# Altium PCB Motor_Controller.PcbDoc (part 1 of 2)
Units mm, origin at the board's own origin, x right, y up, seen from the top; angles counter-clockwise.
Board outline 87 x 70 mm, 4 copper layers (Top Layer, Layer 1, Layer 2, Bottom Layer), stack 0.603 mm thick; 105 components, 67 nets, 349 pads, 167 vias.
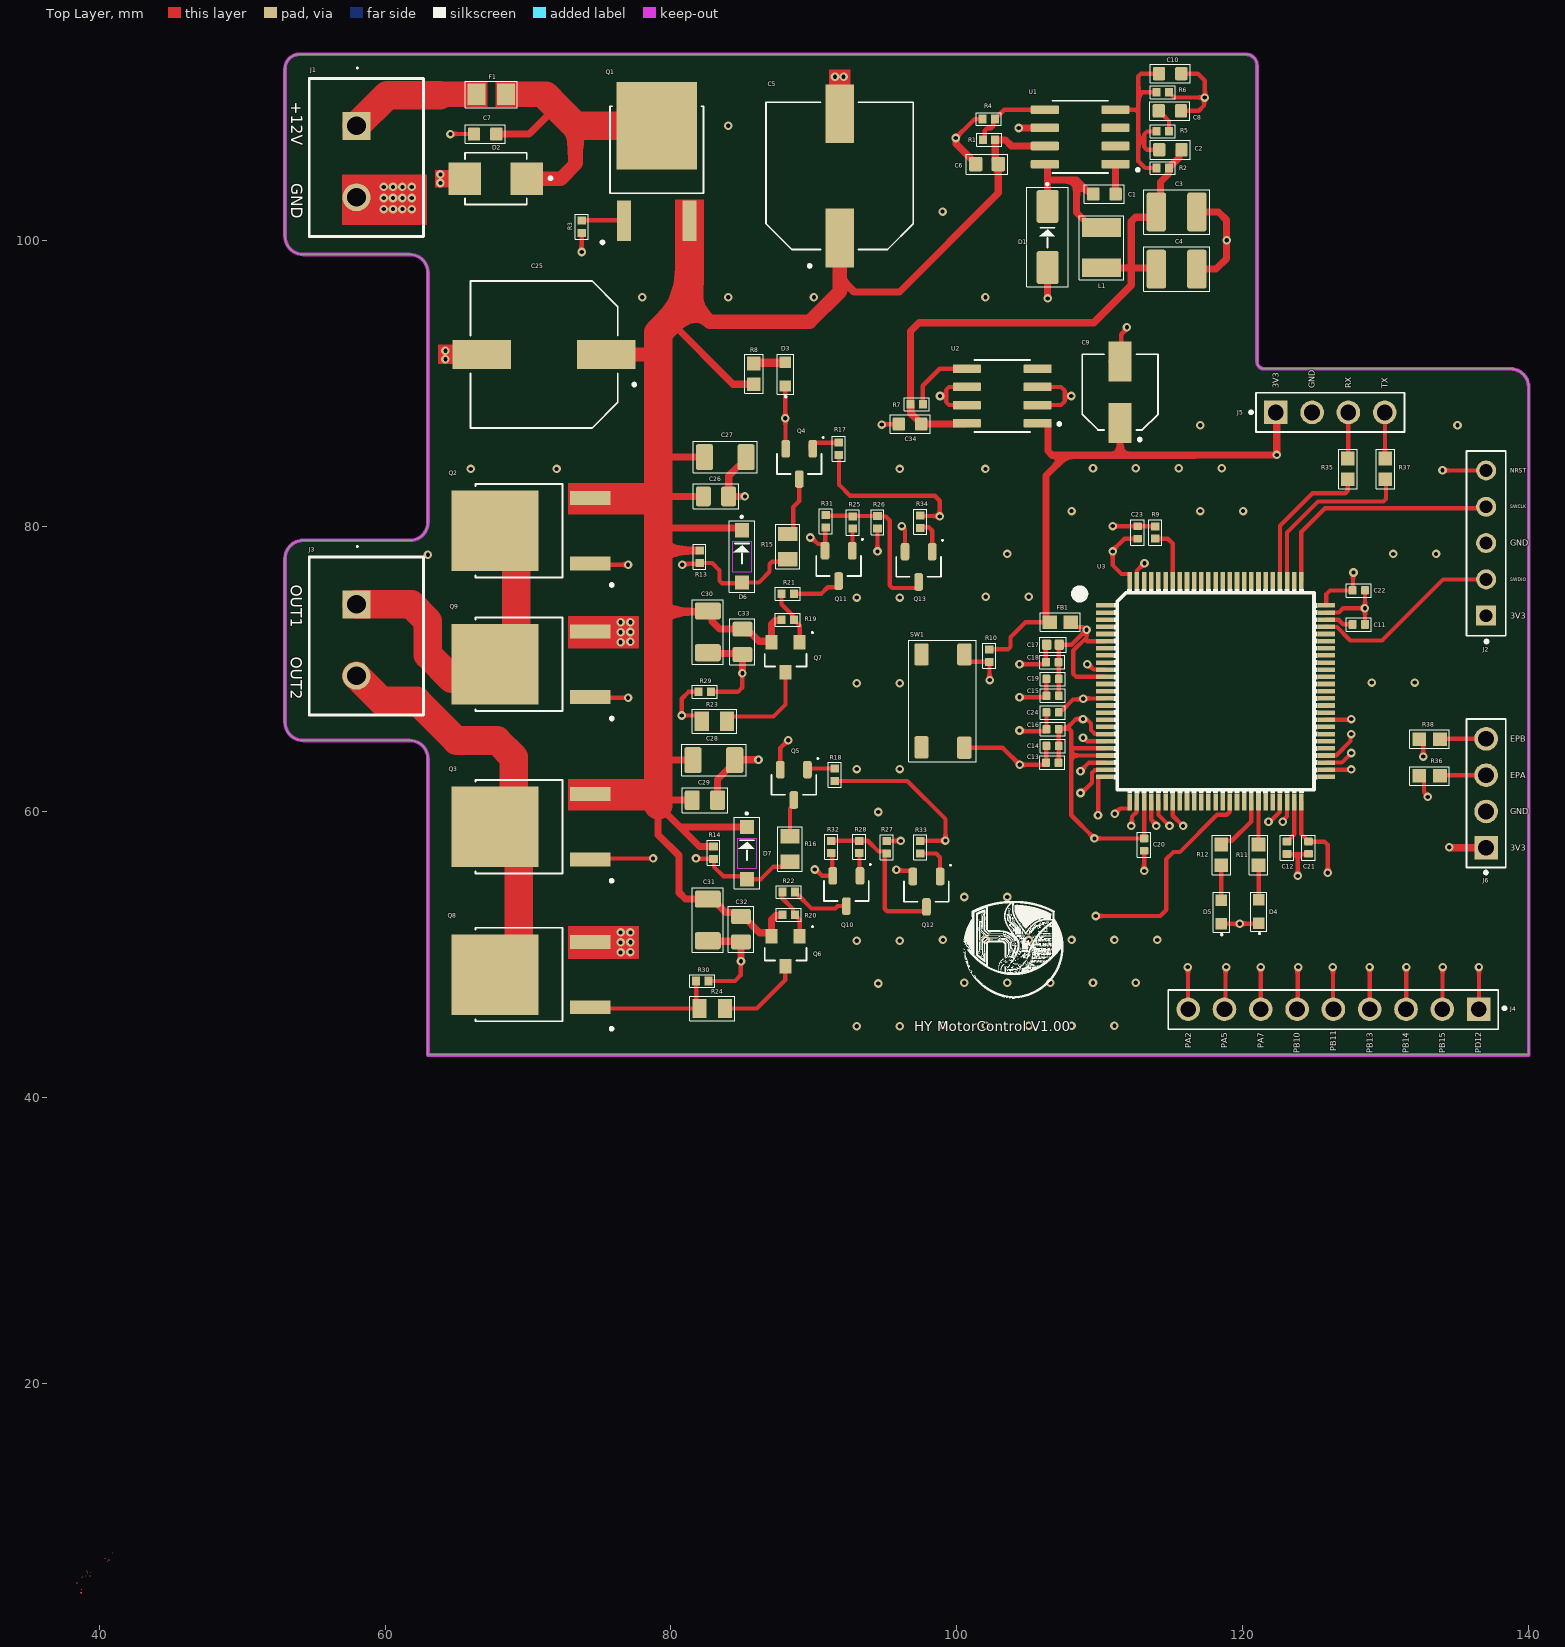
[diagram p0: Top Layer view]
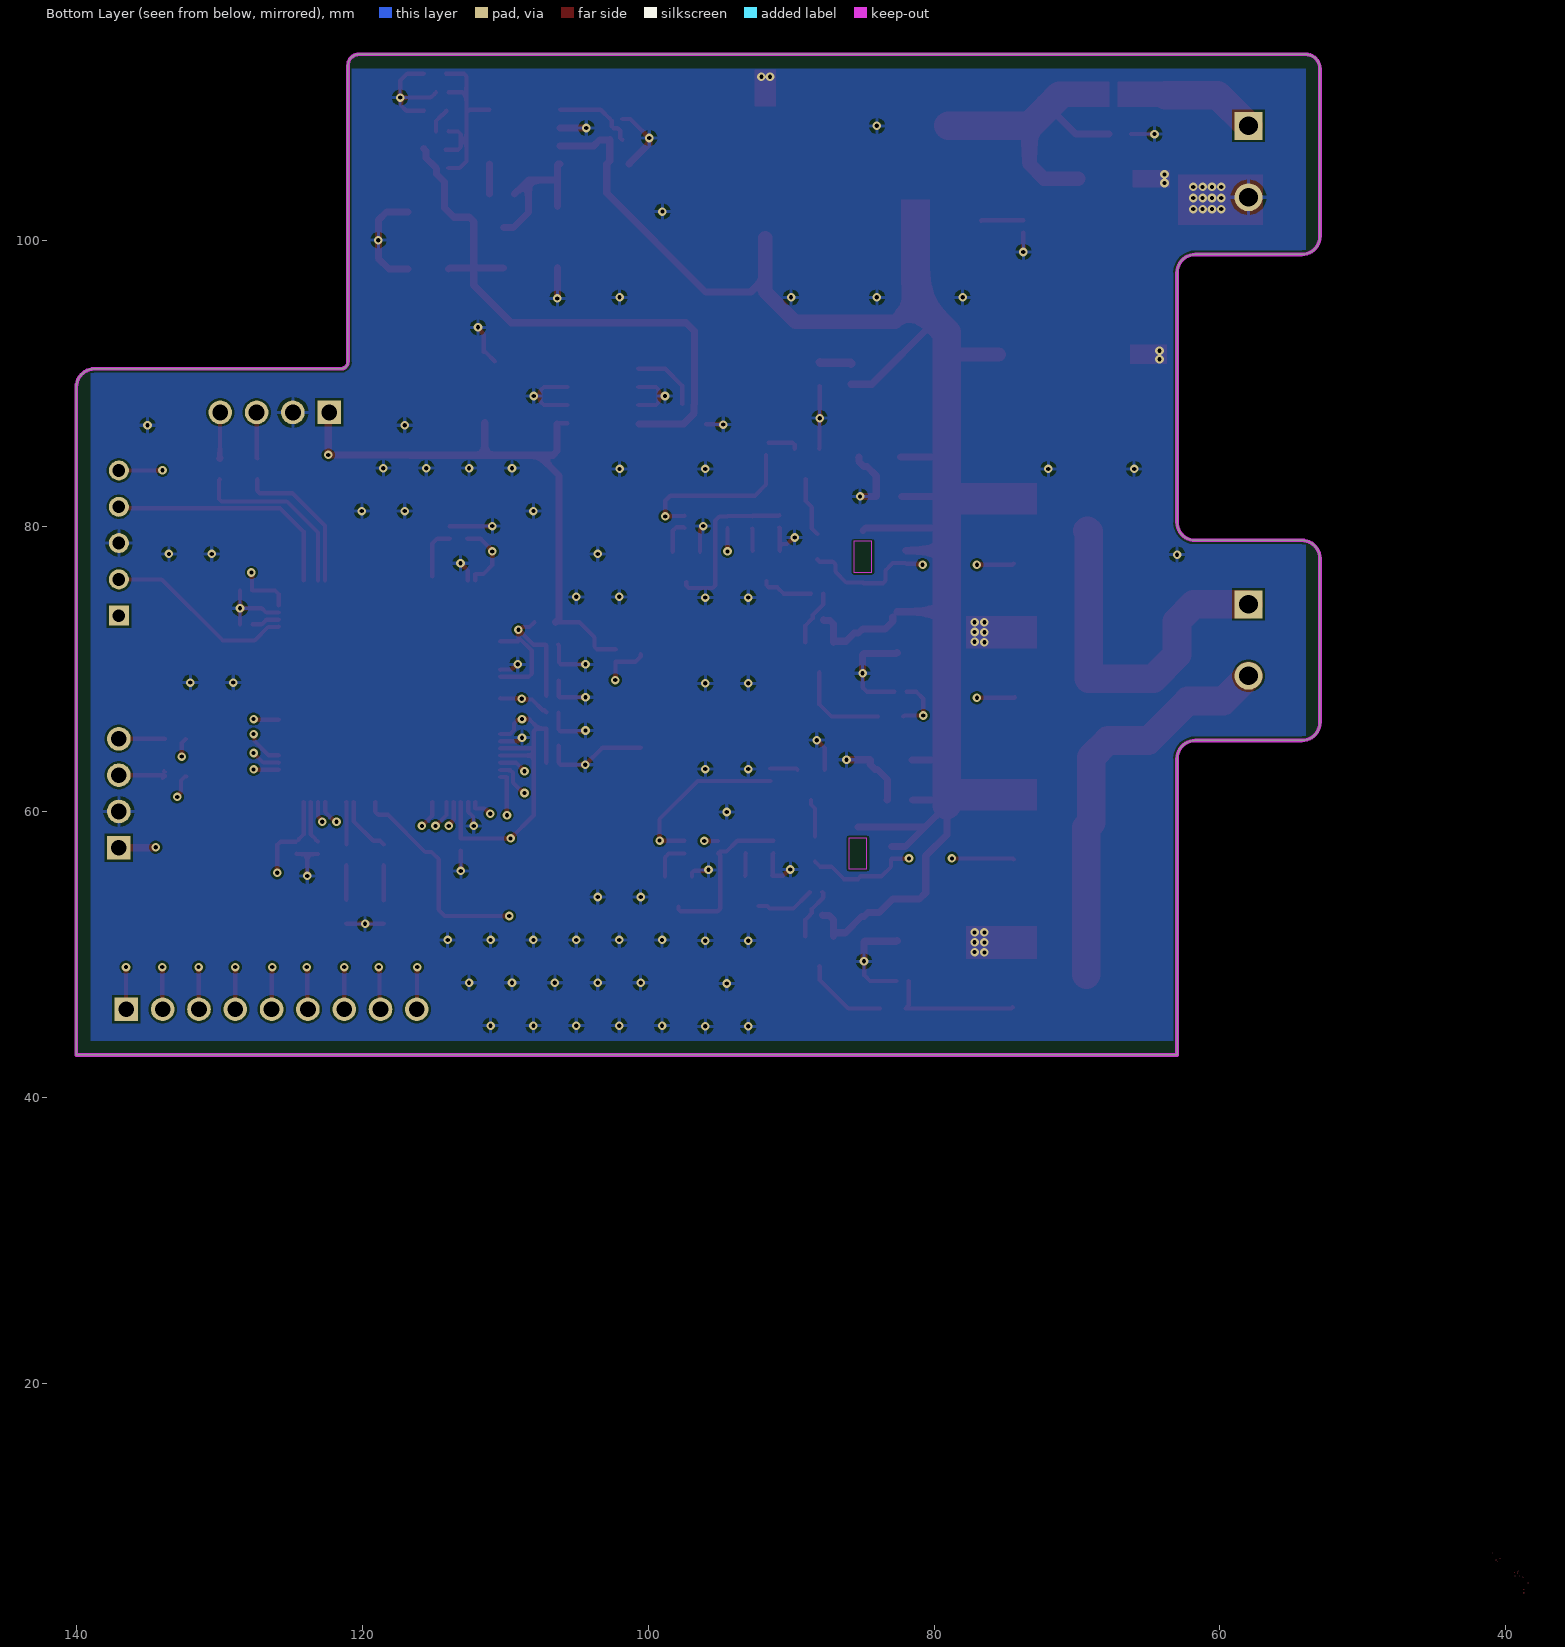
[diagram p1: Bottom Layer view, seen from below]
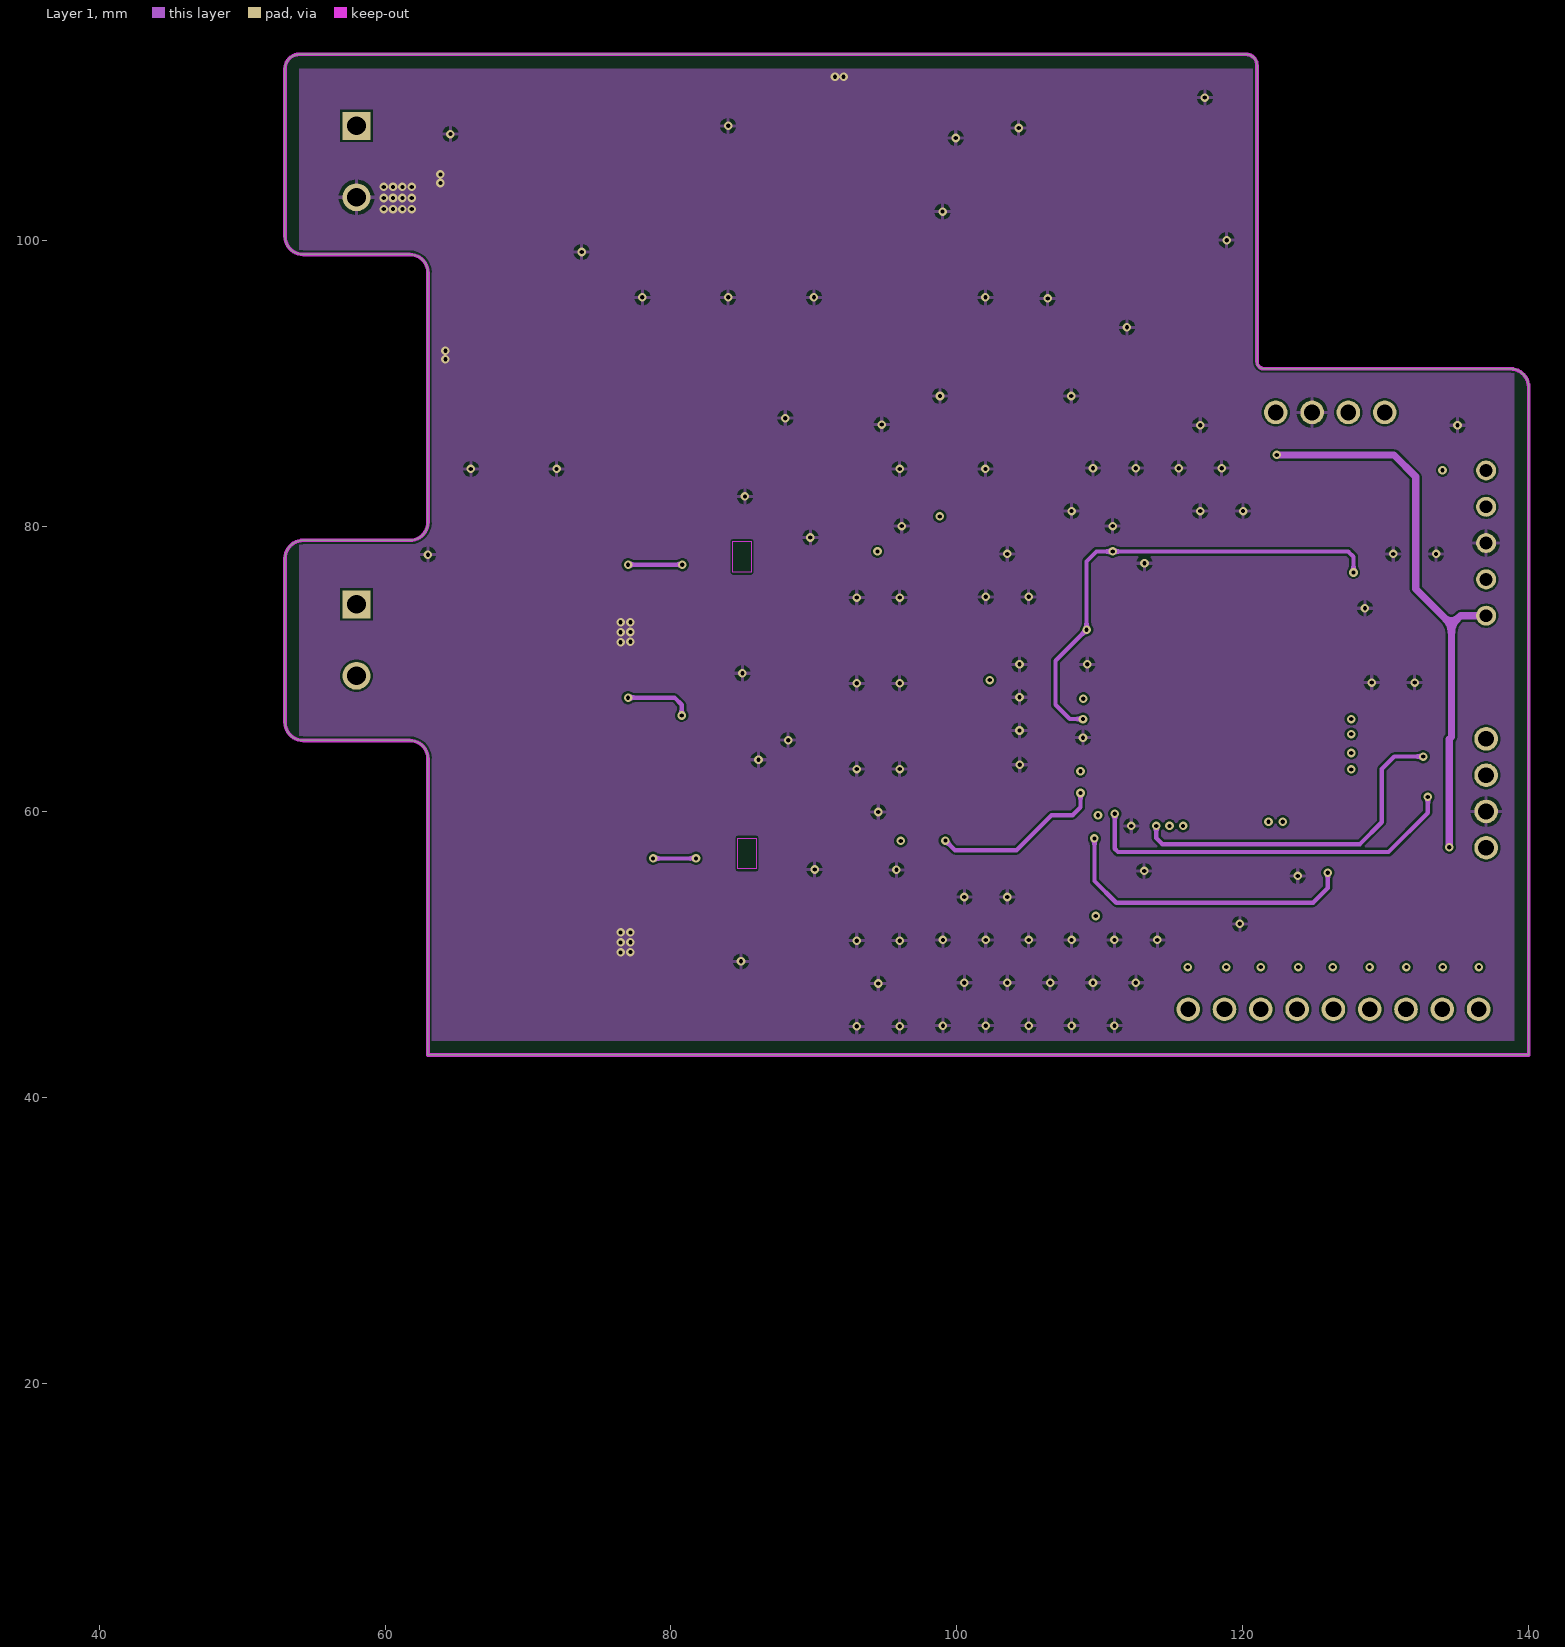
[diagram p2: Layer 1]
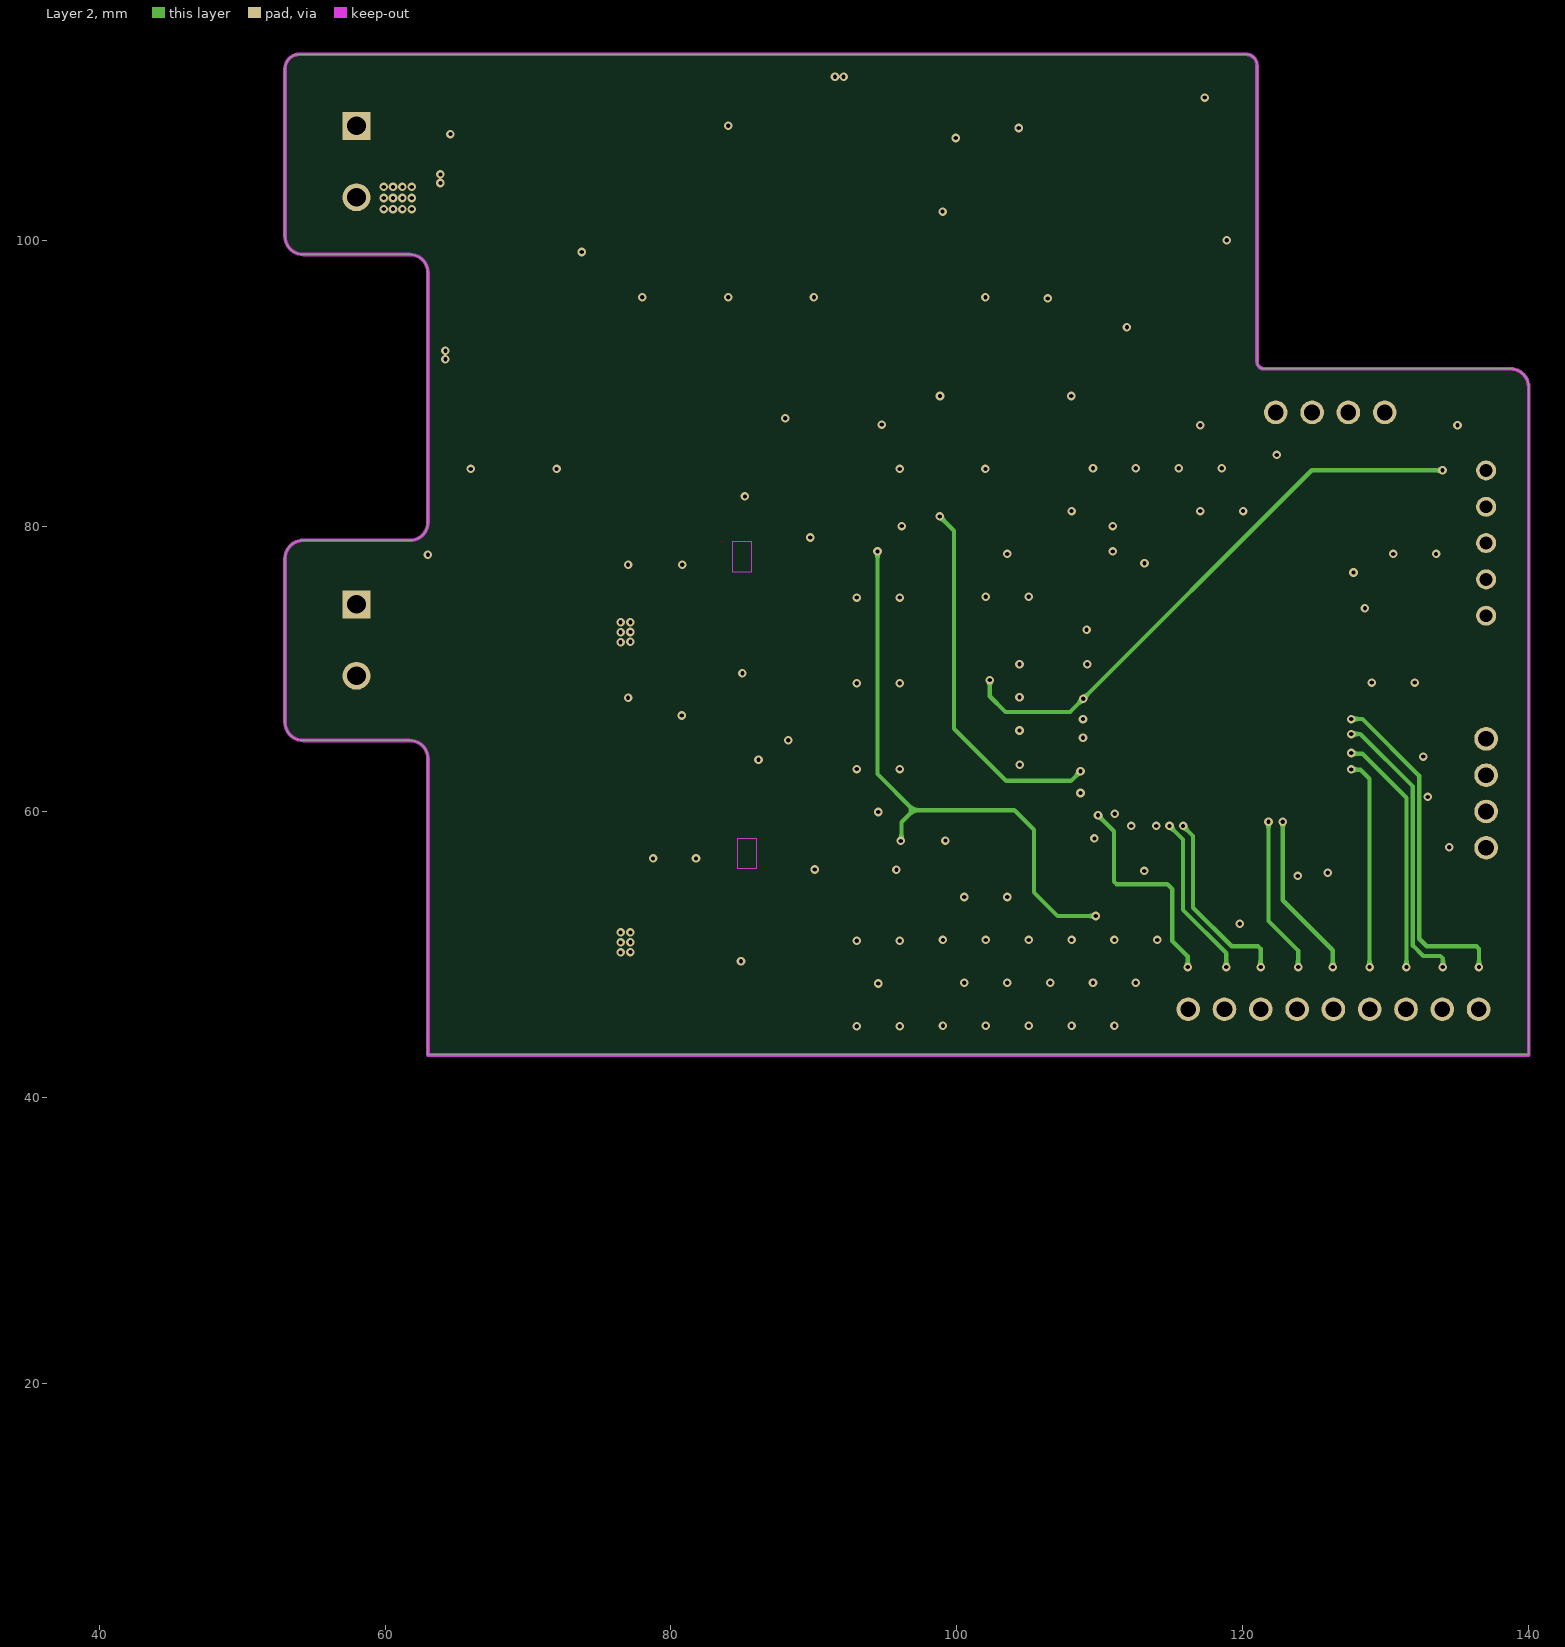
[diagram p3: Layer 2]
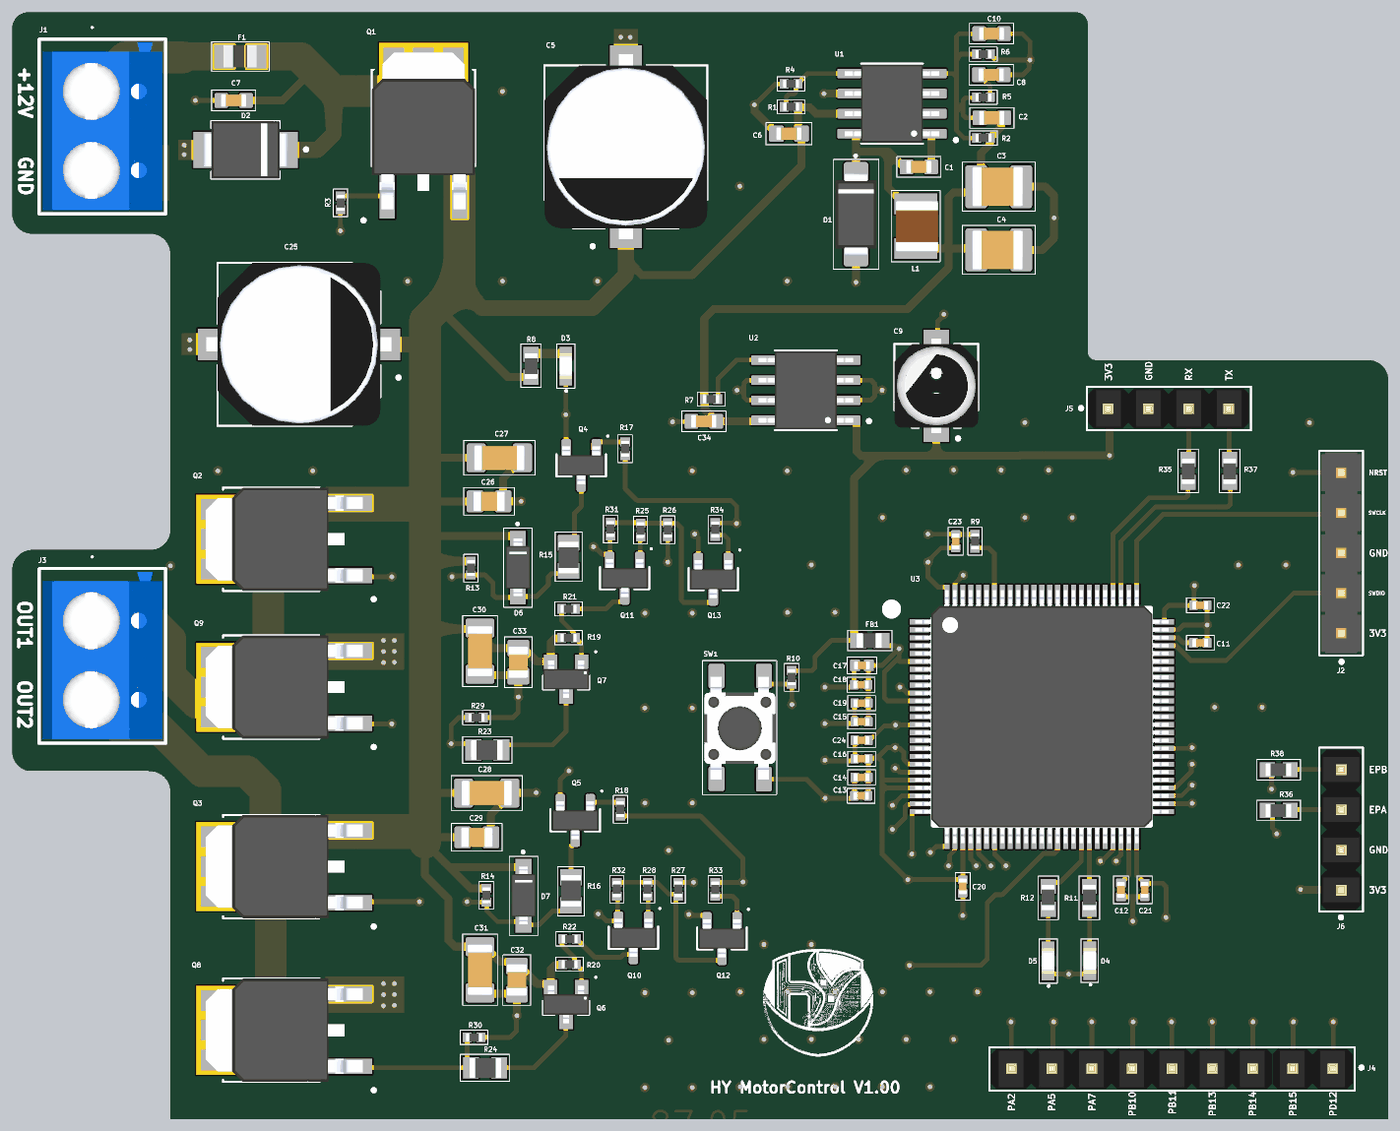
[diagram p5: 3D render of the assembled board from above, using the file's embedded part models]

## Layer stack, top to bottom
Top Solder: solder mask 0.0102, Solder Resist, Dk 3.5
Top Layer: signal copper 0.0356
Dielectric 2: prepreg 0.0711, PP-006, Dk 4.1
Layer 1: signal copper 0.035
Dielectric 1: dielectric 0.32, FR-4, Dk 4.8
Layer 2: signal copper 0.035
Dielectric 3: prepreg 0.0711, PP-006, Dk 4.1
Bottom Layer: signal copper 0.0356
Bottom Solder: solder mask 0.0102, Solder Resist, Dk 3.5

## Board outline
54.27,65 cw(c54.27,66.27) 53,66.27 53,77.73 cw(c54.27,77.73) 54.27,79 61.73,79 ccw(c61.73,80.27) 63,80.27 63,97.73 ccw(c61.73,97.73) 61.73,99 54.27,99 cw(c54.27,100.27) 53,100.27 53,112 cw(c54,112) 54,113 120.23,113 cw(c120.23,112.23) 121,112.23 121,91.5 ccw(c121.5,91.5) 121.5,91 138.73,91 cw(c138.73,89.73) 140,89.73 140,43 63,43 63,63.73 ccw(c61.73,63.73) 61.73,65

## Design rules (kind name [scope] priority, off if disabled: settings)
Clearance [All] p1: gap=0.15 ignorepadtopadclearanceinfootprint=FALSE
PolygonConnect [All] p1: connectstyle=Relief reliefconductorwidth=0.254 reliefentries=4 polygonreliefangle="90 Angle" airgapwidth=0.254
RoutingVias [All] p1: holewidth=0.3 width=0.6 viastyle="Through Hole" minholewidth=0.25 minwidth=0.5 maxholewidth=2.5 maxwidth=5
SolderMaskExpansion [All] p1: expansion=0.102 istentingtop=FALSE
Width Width_MOTOR [InNetClass('NET_MOTOR_12V')] p1: maxlimit=3 minlimit=0.8 preferedwidth=1.5 minimp=50.000000 maximp=50.000000 favimp=50.000000
Width Width_POWER [InNetClass('NET_POWER_5V3V3')] p2: maxlimit=1 minlimit=0.3 preferedwidth=0.6 minimp=50.000000 maximp=50.000000 favimp=50.000000
Width Width_SIGNAL [InNetClass('NET_SIGNAL')] p3: maxlimit=1 minlimit=0.15 preferedwidth=0.254 minimp=50.000000 maximp=50.000000 favimp=50.000000
Width [All] p4: maxlimit=5 minlimit=0.1 preferedwidth=0.3 minimp=50.000000 maximp=50.000000 favimp=50.000000
30 further rules are at their usual default settings.

## Classes and differential pairs
component class Sensors_and_External_Interfaces: J4 J5 J6 R35 R36 R37 R38
component class Power: C1 C2 C3 C4 C5 C6 C7 C8 C9 C10 C34 D1 D2 D3 F1 J1 L1 Q1 R1 R2 R3 R4 R5 R6 R7 R8 U1 U2
component class Motor_Controller: C25 C26 C27 C28 C29 C30 C31 C32 C33 D6 D7 J3 Q2 Q3 Q4 Q5 Q6 Q7 Q8 Q9 Q10 Q11 Q12 Q13 R13 R14 R15 R16 R17 R18 R19 R20 R21 R22 R23 R24 R25 R26 R27 R28 R29 R30 R31 R32 R33 R34
component class MCU: C11 C12 C13 C14 C15 C16 C17 C18 C19 C20 C21 C22 C23 C24 D4 D5 FB1 J2 R9 R10 R11 R12 SW1 U3
